# Altium PCB C210.PcbDoc (part 1 of 8) (continued)
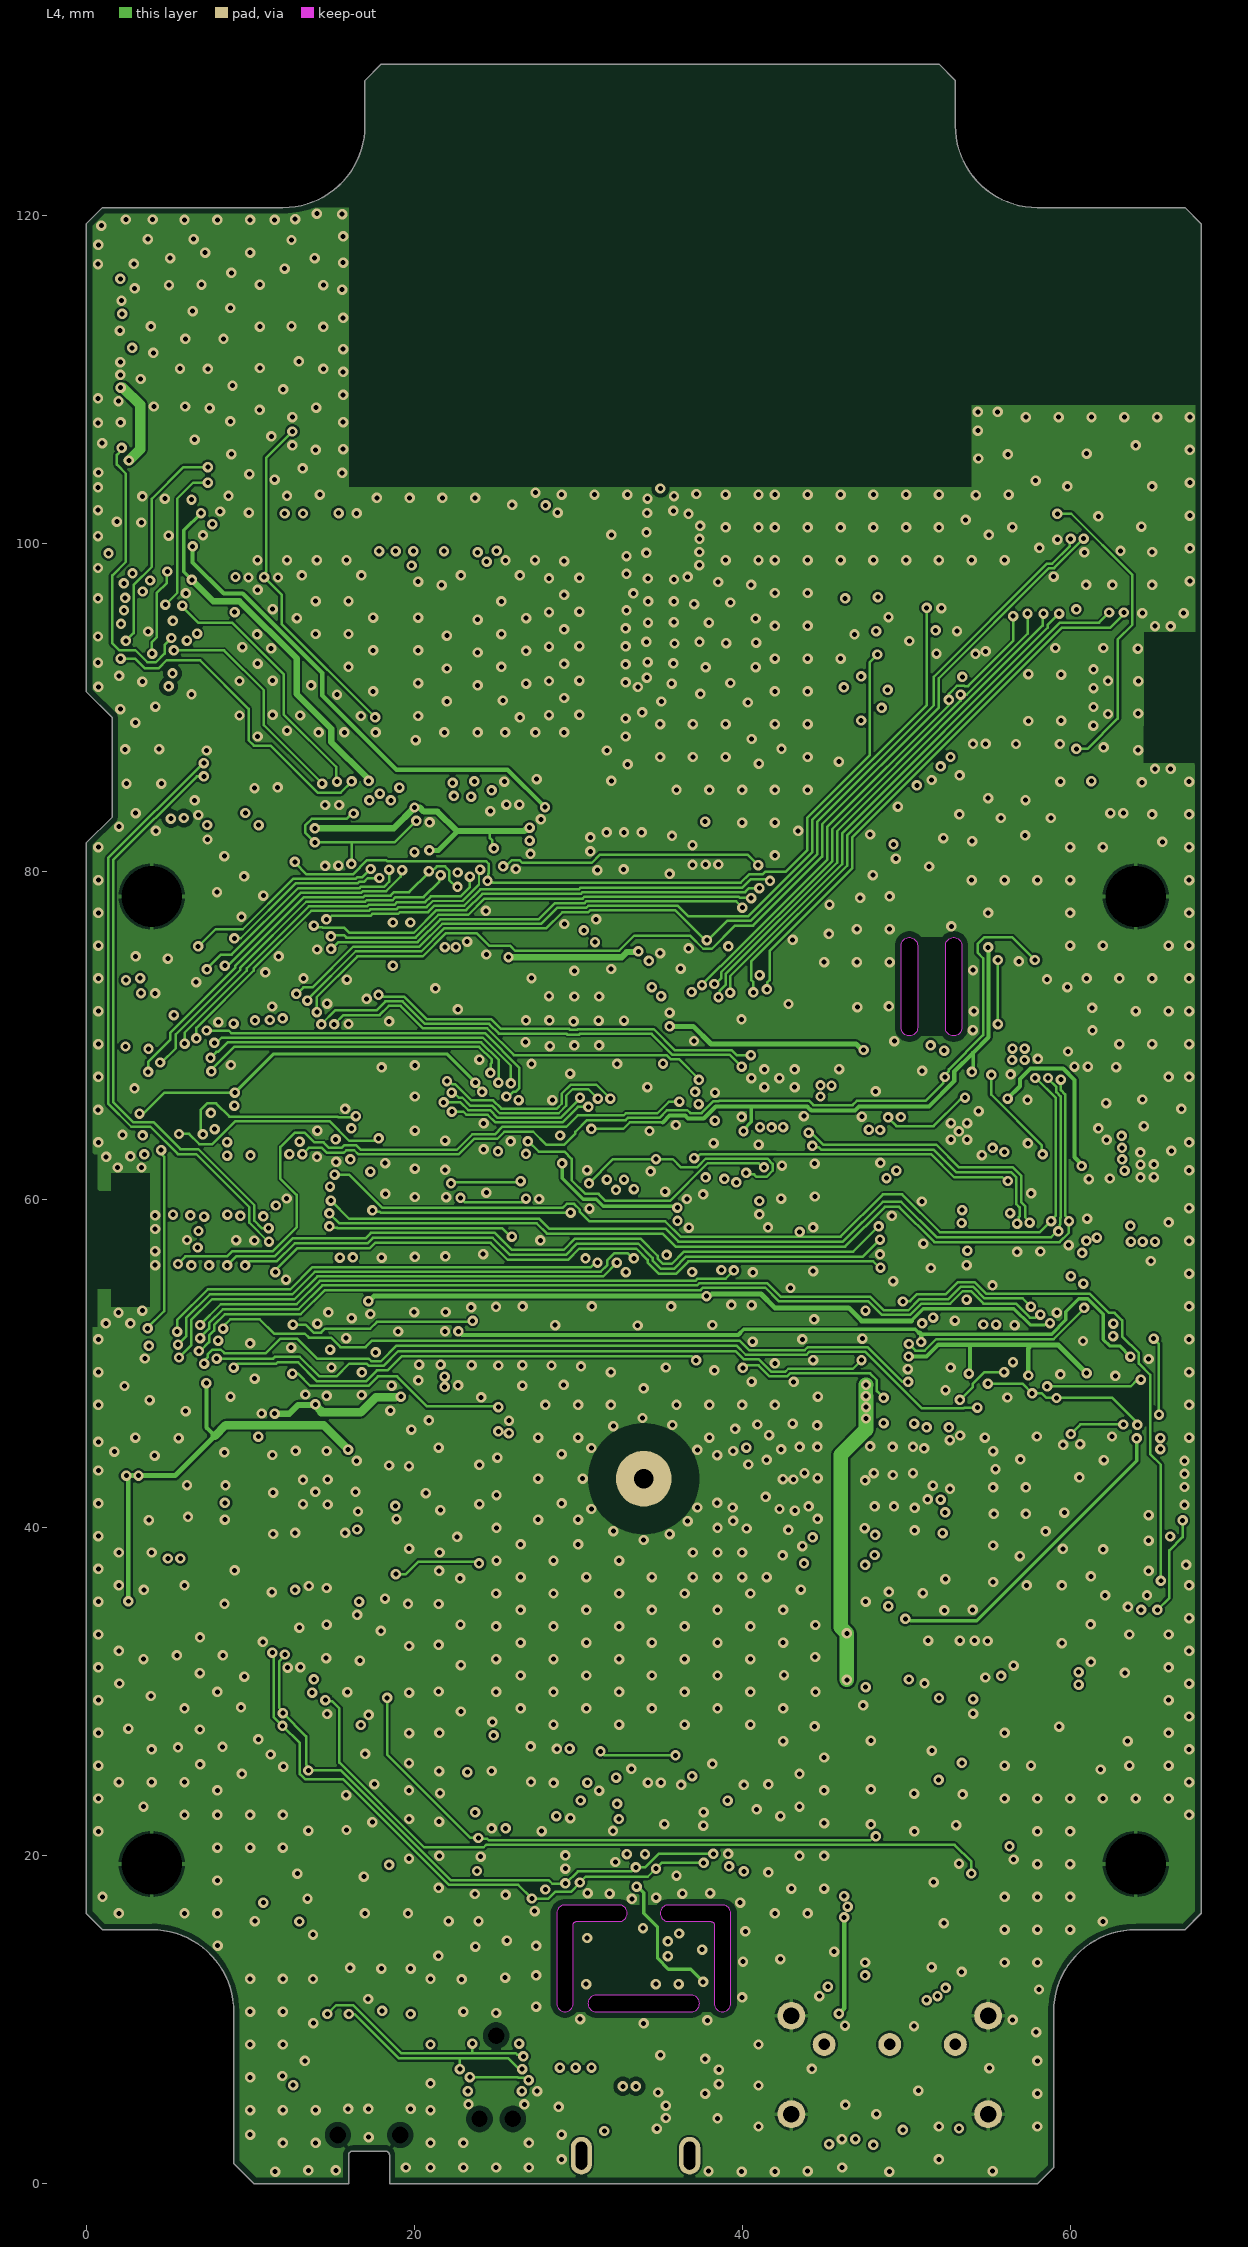
[diagram p4: L4]
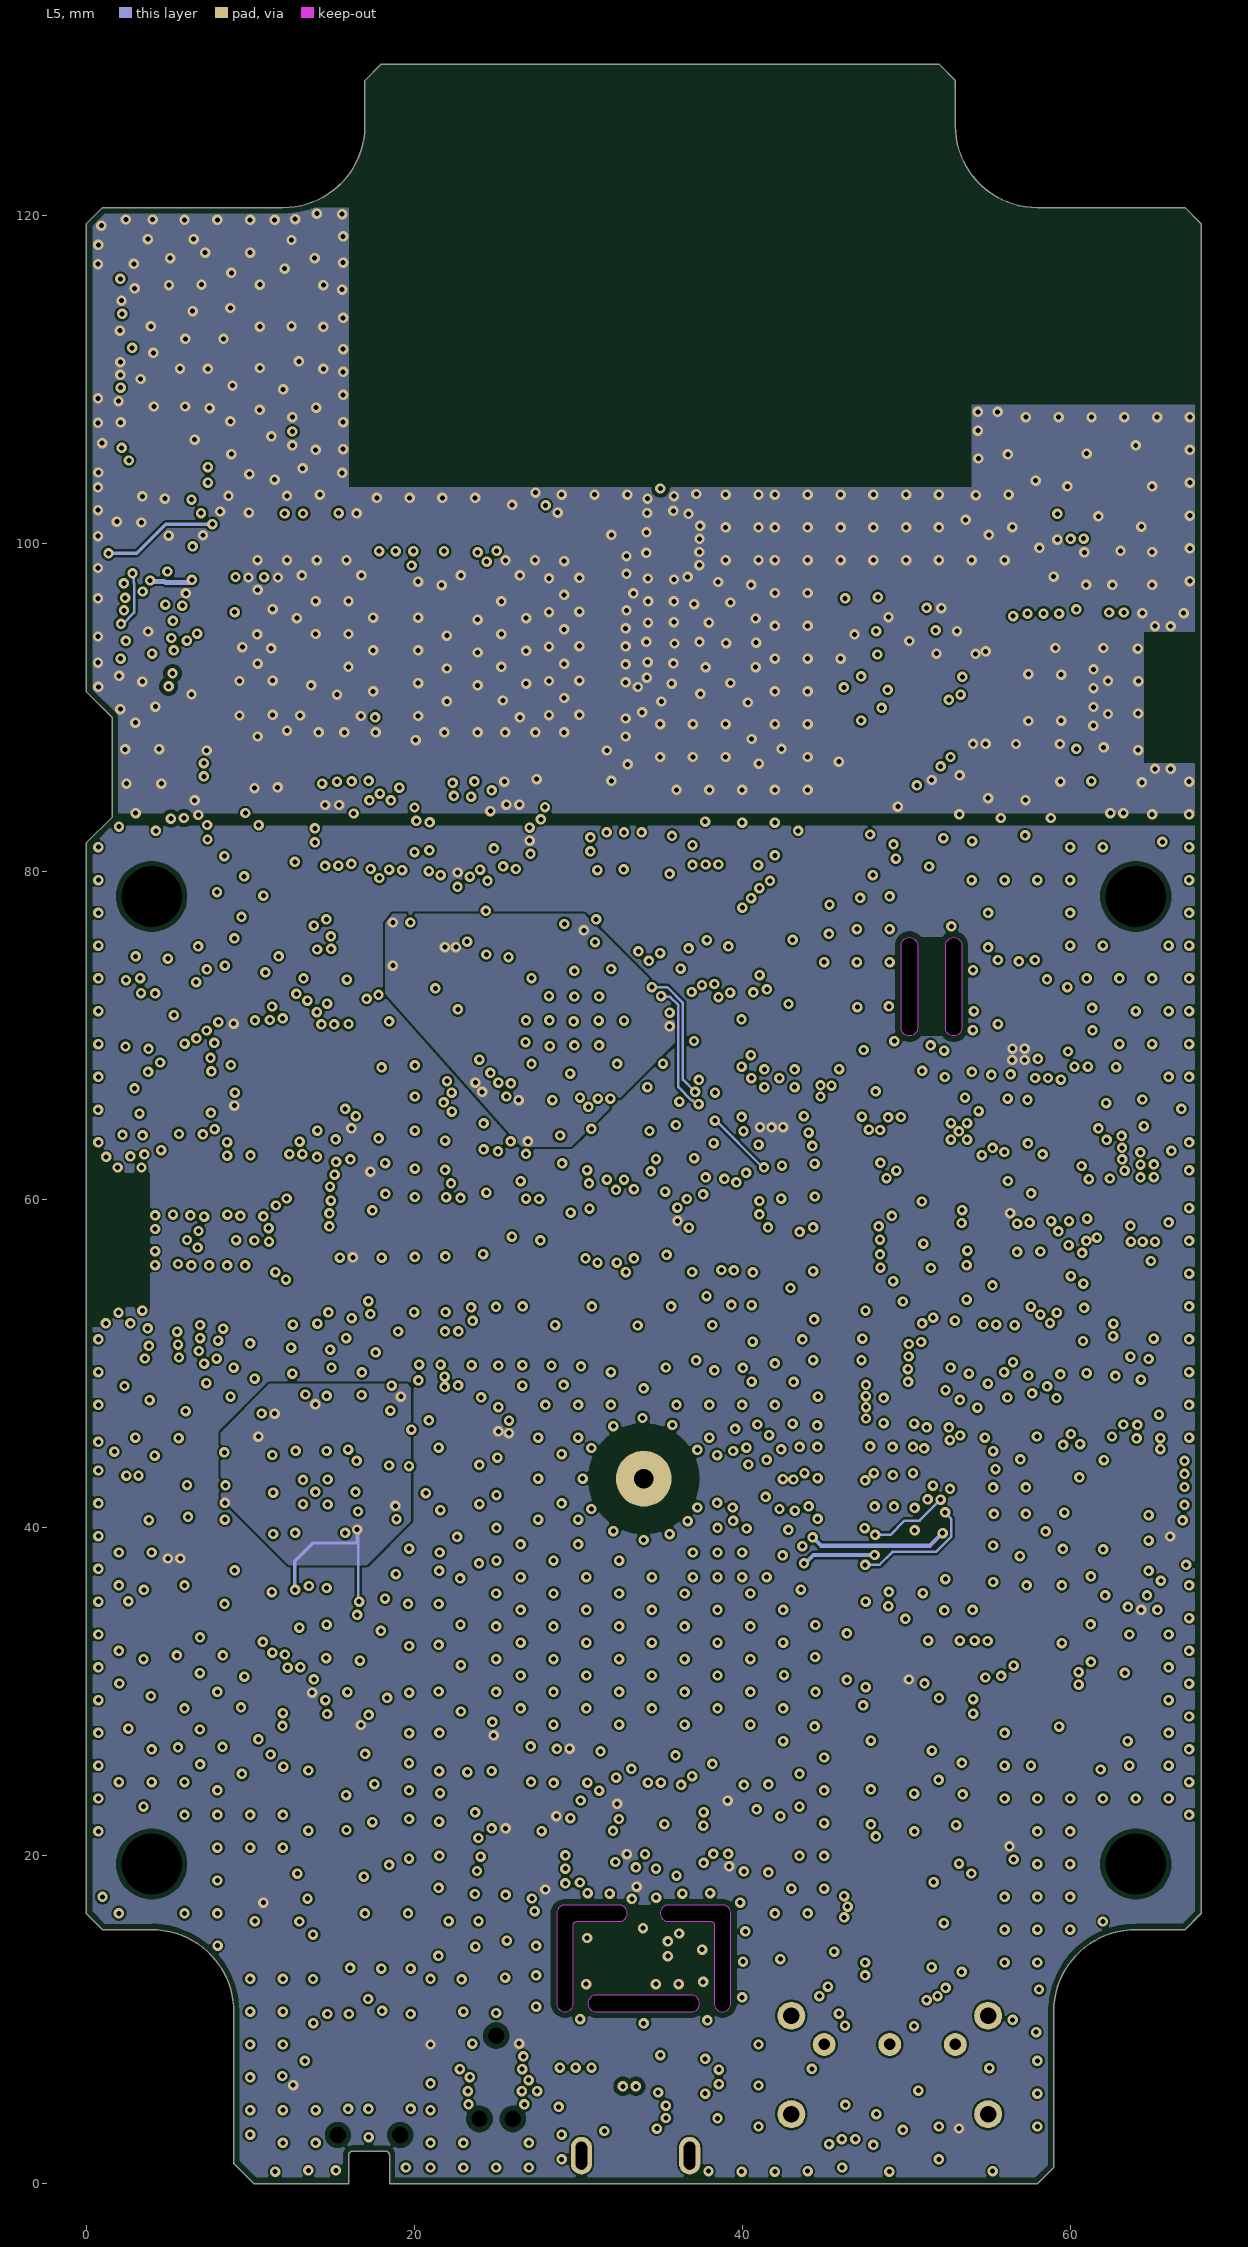
[diagram p5: L5]

## Layer stack, top to bottom
Top Solder: solder mask 0.01, Solder Resist, Dk 3.5
L1: signal copper 0.035
Dielectric 1: prepreg 0.2184, PP-023, Dk 4.5
L2: signal copper 0.035
Dielectric 2: core 0.36, Core-034, Dk 4.6
L3: signal copper 0.035
Dielectric 3: prepreg 0.1803, PP-021, Dk 4.7
L4: signal copper 0.035
Dielectric 4: core 0.36, Core-034, Dk 4.6
L5: signal copper 0.035
Dielectric 5: prepreg 0.2184, PP-023, Dk 4.5
L6: signal copper 0.035
Bottom Solder: solder mask 0.01, Solder Resist, Dk 3.5

## Board outline
9,1.25 9,10.5 ccw(c4,10.5) 4,15.5 1,15.5 0,16.5 0,81.75 1.6,83.35 1.6,89.4 0,91 0,119.5 1,120.5 12,120.5 ccw(c12,125.5) 17,125.5 17,128.25 18,129.25 52,129.25 53,128.25 53,125.5 ccw(c58,125.5) 58,120.5 67,120.5 68,119.5 68,16.5 67,15.5 64,15.5 ccw(c64,10.5) 59,10.5 59,1 58,0 18.5,0 18.5,1.75 ccw(c18.25,1.75) 18.25,2 16.25,2 ccw(c16.25,1.75) 16,1.75 16,0 10.25,0
cut-out: 30.6,11 ccw(c31.1,11) 31.1,10.5 36.9,10.5 ccw(c36.9,11) 37.4,11 ccw(c36.9,11) 36.9,11.5 31.1,11.5 ccw(c31.1,11)
cut-out: 28.7,11 ccw(c29.2,11) 29.2,10.5 ccw(c29.2,11) 29.7,11 29.7,15.8 cw(c29.9,15.8) 29.9,16 32.5,16 ccw(c32.5,16.5) 33,16.5 ccw(c32.5,16.5) 32.5,17 29.2,17 ccw(c29.2,16.5) 28.7,16.5
cut-out: 35,16.5 ccw(c35.5,16.5) 35.5,16 38.1,16 cw(c38.1,15.8) 38.3,15.8 38.3,11 ccw(c38.8,11) 38.8,10.5 ccw(c38.8,11) 39.3,11 39.3,16.5 ccw(c38.8,16.5) 38.8,17 35.5,17 ccw(c35.5,16.5)
cut-out: 52.4,75.5 cw(c52.9,75.5) 53.4,75.5 53.4,70.5 cw(c52.9,70.5) 52.4,70.5
cut-out: 49.699,75.5 cw(c50.199,75.5) 50.699,75.5 50.699,70.5 cw(c50.199,70.5) 49.699,70.5

## Design rules (kind name [scope] priority, off if disabled: settings)
BoardOutlineClearance [All] p1: gap=0.356 ignorepadtopadclearanceinfootprint=FALSE
Clearance [(InDifferentialPairClass('All Differential Pairs')) vs IsRegion] p1: gap=0.25 ignorepadtopadclearanceinfootprint=FALSE
Clearance "Diff Pair Clearance" [InPolygon vs (InDifferentialPairClass('All Differential Pairs'))] p2: gap=0.152 ignorepadtopadclearanceinfootprint=FALSE
Clearance Clearance_Poly_1 [InPolygon vs (OnLayer('Keep-Out Layer')) OR (OnLayer('Multi-Layer') AND IsPad  AND Not(PadIsPlated))] p3: gap=0.3 ignorepadtopadclearanceinfootprint=FALSE
Clearance "RF Clearance" [Inpolygon vs InNetClass('RF')] p4: gap=0.254 ignorepadtopadclearanceinfootprint=FALSE
Clearance "TestPoint Clearance" [InComponent('TP*') vs InComponent('TP*')] p5: gap=0.8 ignorepadtopadclearanceinfootprint=FALSE
Clearance Clearance_1 [InNetClass('All Nets')] p6: gap=0.127 ignorepadtopadclearanceinfootprint=FALSE
ComponentClearance [All] p1: gap=0.127 collisioncheckmode=3 verticalgap=0.254 showdistances=FALSE
DiffPairsRouting [InDifferentialPairClass('All Differential Pairs')] p1: maxlimit=0.155 minlimit=0.127 mostfreqgap=0.152 toplayer_minwidth=0.127 toplayer_maxwidth=0.305 toplayer_prefwidth=0.259 midlayer1_minwidth=0.127 midlayer1_maxwidth=0.305 midlayer1_prefwidth=0.259 midlayer2_minwidth=0.127 midlayer2_maxwidth=0.305 midlayer2_prefwidth=0.259 midlayer3_minwidth=0.127 midlayer3_maxwidth=0.305 midlayer3_prefwidth=0.259 midlayer4_minwidth=0.127 midlayer4_maxwidth=0.305 midlayer4_prefwidth=0.259 bottomlayer_minwidth=0.127 bottomlayer_maxwidth=0.305 bottomlayer_prefwidth=0.259 maxuncoupledlength=12.7
Height [All] p1: minheight=0 maxheight=25.4 prefheight=2.54
HoleSize [All] p1: absolutevalues=TRUE maxlimit=2540 minlimit=0.203 maxpercent=80.000 minpercent=20.000
HoleToHoleClearance [All] p1: gap=0.152 allowstackedmicrovias=TRUE
Length [InNetClass('USB_DIFF')] p1: maxlimit=2540 minlimit=0 usedelayunits=TRUE mindelay=0.000000 maxdelay=500.000000
MinimumSolderMaskSliver [All] p1: minsoldermaskwidth=0.08
NetAntennae [NOT (HasFootprint('Solderbridge-Option') OR HasFootprint('Solderbridge-Short'))] p1: netantennaetolerance=0
PlaneClearance [InPoly] p1: clearance=0.203
PlaneConnect [All] p1 off: planeconnectstyle=Relief reliefexpansion=0.508 reliefentries=4 reliefconductorwidth=0.203 reliefairgap=0.152
PolygonConnect ThermalVias [IsVia] p1: connectstyle=Direct reliefconductorwidth=0.254 reliefentries=4 polygonreliefangle="90 Angle" airgapwidth=0.254
PolygonConnect "PolygonConnect - Power" [InNet('GND')] p2: connectstyle=Relief reliefconductorwidth=0.254 reliefentries=4 polygonreliefangle="90 Angle" airgapwidth=0.152
PolygonConnect PolygonConnect-BGA [InComponentClass('')] p3: connectstyle=Relief reliefconductorwidth=0.152 reliefentries=4 polygonreliefangle="45 Angle" airgapwidth=0.152
PolygonConnect PolygonConnect-General [All] p4: connectstyle=Relief reliefconductorwidth=0.152 reliefentries=4 polygonreliefangle="90 Angle" airgapwidth=0.152
RoutingVias [All] p1: holewidth=0.254 width=0.508 viastyle="Through Hole" minholewidth=0.203 minwidth=0.457 maxholewidth=0.305 maxwidth=0.61
SMDEntry [All] p1: side=TRUE corner=TRUE anyangle=TRUE
SilkToBoardRegionClearance [All] p1 off:
SilkToSilkClearance [All] p1 off: silktosilkclearance=0.025
SilkToSolderMaskClearance [IsPad] p1 off: minsilkscreentomaskgap=0 clearancetoexposedcopper=TRUE
SolderMaskExpansion SolderMaskExpansion_via [IsVia] p1: expansion=-0.254 istentingtop=FALSE
SolderMaskExpansion [All] p2: expansion=0.05 istentingtop=FALSE
UnRoutedNet [All] p1: checkbadconnections=TRUE
Width [All] p1: maxlimit=5.08 minlimit=0.15 preferedwidth=0.15 toplayer_maxwidth=2.54 midlayer1_maxwidth=2.54 midlayer2_maxwidth=2.54 midlayer3_maxwidth=2.54 midlayer4_maxwidth=2.54 minimp=50.000000 maximp=50.000000 favimp=50.000000
17 further rules are at their usual default settings.

## Classes and differential pairs
net class USB: USB_DN1_n USB_DN1_p USB_DN2_n USB_DN2_p USB_DN3_n USB_DN3_p USB_UP_1_n USB_UP_1_p
component class C210_0006_Power: BTN3 C37 C45 C47 C52 C53 C54 C55 C56 C57 C58 C61 C62 C63 C129 C130 C142 C147 C148 C149 C150 C151 C152 C153 C154 D29 F1 J10 J14 NC15 R5 R6 R7 R36 R43 R44 R50 R54 R55 R56 R75 R76 R87 R92 R124 R125 R126 R200 R201 R202 R203 RT1 RT2 SW1 TP28 TP29 TP30 TP31 TP45 TP48 TP50 TP51 TP52 U8 U10 U11 U35
component class C210_0002_NORA_Module: BTN1 BTN2 C39 C46 C48 C69 C70 C76 C82 C86 C131 C133 C134 C137 D13 D14 D22 D23 D24 D25 D26 D27 J4 J11 J13 J15 J17 NC9 NC12 Q12 Q16 Q17 Q18 Q25 R38 R39 R60 R61 R62 R64 R65 R66 R79 R80 R122 R123 RGB2 TP23 TP24 TP26 TP27 TP36 TP43 TP44 TP46 TP47 TP56 TP57 TPBLU TPGRN TPRED U7 U9 U13 X1
net class RF: NetA1_1 NetA2_1 NetC98_1 NetC98_2 NetC99_1 NetC99_2 NetC103_2 NetFIL1_1 NetFIL2_4 NetL1_2 NetL2_1 NetU1_56 NetU24_11 NetU32_3 NetZ1_1
component class C210_0000_Topsheet: FD1 FD2 FD3 FD4 FD5 FD6 STD1 STD2 STD3 STD4
component class C210_0004_MAX_Module: A2 C73 C74 C75 C77 C78 C79 C80 C81 C92 C93 C96 C97 C98 C99 C100 C103 C104 C105 C106 C107 C117 C119 C120 C121 C122 C123 C128 D15 D16 D17 D18 D21 FB3 FB4 FB5 FB6 FB7 FB8 FIL1 FIL2 J1 J6 L1 L2 L3 NC10 NC13 NC14 NO2 Q19 Q20 Q22 Q23 Q24 Q26 Q27 Q28 R18 R67 R68 R69 R70 R71 R72 R78 R81 R82 R83 R84 R85 R86 R96 R105 R107 R108 R109 R113 R115 R116 R117 R118 R128 R129 SWC1 TP33 TP35 TP37 TP39 TP42 U19 U20 U21 U22 U24 U25 U29 U32 U33
component class C210_0005_NINA_Module: BTN4 BTN5 C16 C17 C28 C35 C51 C59 C60 C64 C65 C66 C67 C68 C94 C95 C111 D2 D3 D4 D5 D6 D8 J2 NC1 NC3 NC5 Q1 Q2 Q3 Q13 R2 R3 R4 R10 R11 R12 R13 R14 R15 R22 R33 R37 R46 R48 R51 R52 R59 R63 RGB1 TP2 TP3 TP4 TP5 TP6 TP7 TP8 TP9 TP12 U3 U12 U14 U15 U16 U34
component class C210_0007_Sensors: C71 C72 C109 C110 C112 C113 C114 C115 C116 C118 C124 C125 C126 C127 C135 C136 C138 C139 C140 C141 D20 J5 NC7 NO4 NO5 R53 R57 R58 R77 R111 R112 R114 TP32 TP38 TP40 TP41 U17 U18 U26 U27 U28 U30 U31
net class USB_DIFF: N000-1 N000-2 N000-3 N000-4 USB_DN1_n USB_DN1_p USB_DN2_n USB_DN2_p USB_DN3_n USB_DN3_p USB_UP_1_n USB_UP_1_p
component class C210_0001_Serial_Interface: C32 C33 C38 C40 C41 C42 C43 C44 C49 C50 C83 C84 C85 C87 C88 C89 C90 C91 C101 C102 C108 C132 C143 C144 C145 C146 D28 FB2 FB9 FB10 FB11 FB12 J12 NC8 NC11 Q14 Q21 R8 R9 R26 R27 R29 R30 R35 R40 R41 R42 R45 R73 R74 R88 R89 R90 R91 R94 R95 R99 R100 R101 R102 R106 R110 R127 TP25 TP34 TP49 U6 U23 X2 X3
component class C210_0003_SARA_Module: A1 C1 C2 C3 C4 C5 C6 C7 C8 C9 C10 C11 C12 C13 C14 C15 C18 C19 C20 C21 C22 C23 C24 C25 C26 C27 C29 C30 C31 C34 C36 D1 D7 D9 D10 D11 D12 ESIM FB1 J3 NC2 NC4 NC6 NO1 NO3 P1 Q4 Q5 Q6 Q7 Q9 Q10 Q15 R1 R16 R17 R19 R20 R21 R23 R24 R25 R28 R31 R32 R34 R47 R49 TP1 TP10 TP11 TP13 TP14 TP15 TP16 TP17 TP18 TP19 TP20 TP21 TP22 TP53 TP54 U1 U2 U4 U5 Z1 Z2 Z3 Z4 Z5 Z6
differential pair USB_UP_1: +USB_UP_1_p -USB_UP_1_n
differential pair USB_DN3: +USB_DN3_p -USB_DN3_n
differential pair USB_DN2: +USB_DN2_p -USB_DN2_n
differential pair USB_DN1: +USB_DN1_p -USB_DN1_n

## Components (designator, comment, footprint, x,y, rotation, side; value= is the part's Value field where it differs from the comment)
A1 "PCS.66.A" PCS.66.A 35,118 r180 bottom locked
A2 "CGGP.25.4.E.02" CGGP.25.4.E.02 34,40.5 r180 bottom locked
BTN1 "TL6120DF300QG" TL6120DF300QG 53,16.5 r0 bottom locked
BTN2 "TL6120DF300QG" TL6120DF300QG 15,16.5 r0 bottom locked
BTN3 "135-00006" B3U-3000P 51.5,2 r0 bottom
BTN4 "135-00007" B3U-1000P 58,104 r90 top
BTN5 "135-00007" B3U-1000P 63,104 r90 top
C1 "120-0004533pF" "Cap 0402 HD" 7.527,102.7 r0 top value=33pF
C2 "120-000160.1uF" "Cap 0402 HD" 2.099,103.575 r180 top value=0.1uF
C3 "120-000204.7uF" "Cap 0402 HD" 2.125,102.675 r180 top value=4.7uF
C4 "120-0004533pF" "Cap 0402 HD" 2.099,104.45 r180 top value=33pF
C5 "120-0004533pF" "Cap 0402 HD" 8.5,103.725 r0 top value=33pF
C6 "120-0004533pF" "Cap 0402 HD" 1.2,105.3 r180 top value=33pF
C7 "120-0004533pF" "Cap 0402 HD" 8.5,104.675 r0 top value=33pF
C8 "120-000160.1uF" "Cap 0402 HD" 26.972,102.35 r0 top value=0.1uF
C9 "120-000160.1uF" "Cap 0402 HD" 2.125,99.325 r90 top value=0.1uF
C10 "120-0004533pF" "Cap 0402 HD" 3.775,99.3 r90 top value=33pF
C11 "120-000204.7uF" "Cap 0402 HD" 2.925,99.325 r90 top value=4.7uF
C12 "120-0004533pF" "Cap 0402 HD" 4.625,99.3 r90 top value=33pF
C13 "120-000160.1uF" "Cap 0402 HD" 4.566,97.007 r0 top value=0.1uF
C14 "120-0004768pF" "Cap 0402 HD" 15.425,83.056 r270 top value=68pF
C15 "120-0004768pF" "Cap 0402 HD" 25.622,83.075 r90 top value=68pF
C16 "120-000204.7uF" "Cap 0402 HD" 63.275,84.65 r270 top value=4.7uF
C17 "120-000160.1uF" "Cap 0402 HD" 62.45,84.65 r90 top value=0.1uF
C18 "120-000160.1uF" "Cap 0402 HD" 14.576,83.056 r270 top value=0.1uF
C19 "120-000160.1uF" "Cap 0402 HD" 26.422,83.075 r270 top value=0.1uF
C20 "120-000160.1uF" "Cap 0402 HD" 14.576,81.4 r270 top value=0.1uF
C21 "120-0004768pF" "Cap 0402 HD" 15.425,81.4 r90 top value=68pF
C22 "120-000160.1uF" "Cap 0402 HD" 26.422,81.5 r90 top value=0.1uF
C23 "120-0004768pF" "Cap 0402 HD" 28.175,82.1 r0 top value=68pF
C24 "120-000101.0nF" "Cap 0402 HD" 29.7,81.25 r0 top value=1.0nF
C25 "120-0004118pF" "Cap 0402 HD" 29.7,82.1 r180 top value=18pF
C26 "120-00223100µF" "Cap 1210" 32.797,79.93 r270 top value=100µF
C27 "120-0004768pF" "Cap 0402 HD" 25.622,81.5 r270 top value=68pF
C28 "120-0004768pF" "Cap 0402 HD" 53.25,82.425 r90 top value=68pF
C29 "120-000204.7uF" "Cap 0402 HD" 27.6,80.175 r180 top value=4.7uF
C30 "120-000160.1uF" "Cap 0402 HD" 28.175,81.25 r180 top value=0.1uF
C31 "120-000204.7uF" "Cap 0402 HD" 29.897,80.175 r0 top value=4.7uF
C32 "120-000204.7uF" "Cap 0402 HD" 23.9,69.583 r270 top value=4.7uF
C33 "120-000160.1uF" "Cap 0402 HD" 24.693,69.6 r90 top value=0.1uF
C34 "120-0004768pF" "Cap 0402 HD" 30.1,77.678 r270 top value=68pF
C35 "120-0004768pF" "Cap 0402 HD" 53.436,77.821 r270 top value=68pF
C36 "120-0004768pF" "Cap 0402 HD" 40.325,74.488 r0 top value=68pF
C37 "120-00223100µF" "Cap 1210" 44.225,71.75 r90 top value=100µF
C38 "120-000160.1uF" "Cap 0402 HD" 24.975,74.475 r270 top value=0.1uF
C39 "120-000160.1uF" "Cap 0402 HD" 8.6,69.625 r90 top value=0.1uF
C40 "120-000160.1uF" "Cap 0402 HD" 34.525,67.924 r90 top value=0.1uF
C41 "120-000204.7uF" "Cap 0402 HD" 23.321,73.624 r90 top value=4.7uF
C42 "120-000160.1uF" "Cap 0402 HD" 23.286,72.06 r90 top value=0.1uF
C43 "120-000160.1uF" "Cap 0402 HD" 27.425,66.05 r180 top value=0.1uF
C44 "120-000160.1uF" "Cap 0402 HD" 34.924,71.009 r270 top value=0.1uF
C45 "120-000160.1uF" "Cap 0402 HD" 44.825,68.764 r180 top value=0.1uF
C46 "120-000160.1uF" "Cap 0402 HD" 8.399,66.958 r90 top value=0.1uF
C47 "120-000204.7uF" "Cap 0402 HD" 44.825,67.961 r0 top value=4.7uF
C48 "120-000160.1uF" "Cap 0402 HD" 8.375,65.358 r90 top value=0.1uF
C49 "120-000160.1uF" "Cap 0402 HD" 29.096,75.705 r0 top value=0.1uF
C50 "120-000160.1uF" "Cap 0402 HD" 31.75,76.364 r270 top value=0.1uF
C51 "120-000160.1uF" "Cap 0402 HD" 29.789,64.152 r270 top value=0.1uF
C52 "120-000204.7uF" "Cap 0402 HD" 40.925,65.125 r180 top value=4.7uF
C53 "120-000160.1uF" "Cap 0402 HD" 42.657,65.173 r180 top value=0.1uF
C54 "120-000720.47uF" "Cap 0402 HD" 60.263,67.047 r90 top value=0.47uF
C55 "120-000204.7uF" "Cap 0402 HD" 55.493,65.09 r90 top value=4.7uF
C56 "120-000160.1uF" "Cap 0402 HD" 62.762,67.04 r270 top value=0.1uF
C57 "120-000204.7uF" "Cap 0402 HD" 50.94,63.54 r270 top value=4.7uF
C58 "120-000204.7uF" "Cap 0402 HD" 50.121,63.54 r270 top value=4.7uF
C59 "120-000160.1uF" "Cap 0402 HD" 29.789,62.604 r270 top value=0.1uF
C60 "120-000160.1uF" "Cap 0402 HD" 38.276,62.425 r90 top value=0.1uF
C61 "120-000204.7uF" "Cap 0402 HD" 52.065,61.515 r270 top value=4.7uF
C62 "120-0004118pF" "Cap 0402 HD" 61.064,67.047 r270 top value=18pF
C63 "120-0004768pF" "Cap 0402 HD" 61.9,67.039 r90 top value=68pF
C64 "120-000160.1uF" "Cap 0402 HD" 35.301,59.269 r90 top value=0.1uF
C65 "120-000160.1uF" "Cap 0402 HD" 40.311,62.763 r270 top value=0.1uF
C66 "120-000160.1uF" "Cap 0402 HD" 35.301,57.704 r90 top value=0.1uF
C67 "120-000160.1uF" "Cap 0402 HD" 40.385,59.538 r270 top value=0.1uF
C68 "120-000160.1uF" "Cap 0402 HD" 38.261,59.993 r270 top value=0.1uF
C69 "120-000160.1uF" "Cap 0402 HD" 15.55,53.85 r90 top value=0.1uF
C70 "120-000160.1uF" "Cap 0402 HD" 16.34,53.85 r90 top value=0.1uF
C71 "120-000160.1uF" "Cap 0402 HD" 33.803,14.622 r90 top value=0.1uF
C72 "120-000160.1uF" "Cap 0402 HD" 37.539,13.263 r270 top value=0.1uF
C73 "120-000160.1uF" "Cap 0402 HD" 62.95,50.554 r90 top value=0.1uF
C74 "120-000160.1uF" "Cap 0402 HD" 52.968,51.336 r270 top value=0.1uF
C75 "120-000160.1uF" "Cap 0402 HD" 59.366,50.38 r90 top value=0.1uF
C76 "120-000160.1uF" "Cap 0402 HD" 13.55,51.738 r180 top value=0.1uF
C77 "120-000160.1uF" "Cap 0402 HD" 50.821,50.05 r270 top value=0.1uF
C78 "120-000160.1uF" "Cap 0402 HD" 56.338,51.203 r270 top value=0.1uF
C79 "120-000160.1uF" "Cap 0402 HD" 54.125,50.409 r90 top value=0.1uF
C80 "120-000160.1uF" "Cap 0402 HD" 57.26,50.385 r90 top value=0.1uF
C81 "120-000160.1uF" "Cap 0402 HD" 61,50.475 r90 top value=0.1uF
C82 "120-0004768pF" "Cap 0402 HD" 6.421,37.767 r270 top value=68pF
C83 "120-000160.1uF" "Cap 0402 HD" 14.739,47.034 r90 top value=0.1uF
C84 "120-000204.7uF" "Cap 0402 HD" 19.839,47.047 r0 top value=4.7uF
C85 "120-000160.1uF" "Cap 0402 HD" 18.211,40.946 r270 top value=0.1uF
C86 "120-0004768pF" "Cap 0402 HD" 1.744,43.578 r90 top value=68pF
C87 "120-000160.1uF" "Cap 0402 HD" 11.1,46.323 r180 top value=0.1uF
C88 "120-000486pF" "Cap 0402 HD" 22.66,44.897 r0 top value=6pF
C89 "120-000160.1uF" "Cap 0402 HD" 9.475,43 r180 top value=0.1uF
C90 "120-000160.1uF" "Cap 0402 HD" 19.43,44.417 r0 top value=0.1uF
C91 "120-000160.1uF" "Cap 0402 HD" 13.391,37.5 r270 top value=0.1uF
C92 "120-0004768pF" "Cap 0402 HD" 41.51,40.785 r315 top value=68pF
C93 "120-0004768pF" "Cap 0402 HD" 52.006,45.1 r90 top value=68pF
C94 "120-000204.7uF" "Cap 0402 HD" 55.25,72.125 r0 top value=4.7uF
C95 "120-000160.1uF" "Cap 0402 HD" 54.618,76.13 r180 top value=0.1uF
C96 "120-0004768pF" "Cap 0402 HD" 65.901,43.29 r180 top value=68pF
C97 "120-000101.0nF" "Cap 0402 HD" 65.901,44.09 r180 top value=1.0nF
C98 "120-000101.0nF" "Cap 0402 HD" 44.475,42.175 r180 top value=1.0nF
C99 "120-0008147pF" "Cap 0402 HD" 48.725,42.175 r180 top value=47pF
C100 "120-0004768pF" "Cap 0402 HD" 65.901,42.49 r0 top value=68pF
C101 "120-000160.1uF" "Cap 0402 HD" 18.147,46.15 r90 top value=0.1uF
C102 "120-000486pF" "Cap 0402 HD" 22.782,41.1 r180 top value=6pF
C103 "120-000793.3pF" "Cap 0402 HD" 40.275,41.079 r90 top value=3.3pF
C104 "120-0011015pF" "Cap 0402 HD" 47.075,40.619 r225 top value=15pF
C105 "120-000101.0nF" "Cap 0402 HD" 65.913,41.379 r180 top value=1.0nF
C106 "120-000101.0nF" "Cap 0402 HD" 49.276,39.352 r180 top value=1.0nF
C107 "120-0004768pF" "Cap 0402 HD" 49.262,40.279 r180 top value=68pF
C108 "120-000160.1uF" "Cap 0402 HD" 9.475,42.208 r180 top value=0.1uF
C109 "120-000204.7uF" "Cap 0402 HD" 24.475,26.275 r270 top value=4.7uF
C110 "120-000160.1uF" "Cap 0402 HD" 25.9,26.667 r0 top value=0.1uF
C111 "120-00223100µF" "Cap 1210" 58.32,71.038 r0 top value=100µF
C112 "120-000204.7uF" "Cap 0402 HD" 33.244,23.817 r270 top value=4.7uF
C113 "120-000160.1uF" "Cap 0402 HD" 35.044,23.409 r270 top value=0.1uF
C114 "120-000160.1uF" "Cap 0402 HD" 34.24,23.409 r270 top value=0.1uF
C115 "120-000160.1uF" "Cap 0402 HD" 13.065,30.449 r270 top value=0.1uF
C116 "120-000204.7uF" "Cap 0402 HD" 38.716,22.682 r180 top value=4.7uF
C117 "120-000160.1uF" "Cap 0402 HD" 62.26,31.156 r180 top value=0.1uF
C118 "120-000720.47uF" "Cap 0402 HD" 41.6,23.317 r90 top value=0.47uF
C119 "120-000171.0uF" "Cap 0402 HD" 50.55,31.975 r90 top value=1.0uF
C120 "120-000160.1uF" "Cap 0402 HD" 51.35,31.975 r90 top value=0.1uF
C121 "120-000171.0uF" "Cap 0402 HD" 54.975,32.006 r90 top value=1.0uF
C122 "120-0004768pF" "Cap 0402 HD" 54.175,32.006 r270 top value=68pF
C123 "120-0004768pF" "Cap 0402 HD" 61.845,26.343 r270 top value=68pF
C124 "120-000204.7uF" "Cap 0402 HD" 25.371,20.69 r180 top value=4.7uF
C125 "120-000160.1uF" "Cap 0402 HD" 27.375,20.85 r0 top value=0.1uF
C126 "120-000204.7uF" "Cap 0402 HD" 25.371,19.575 r180 top value=4.7uF
C127 "120-000160.1uF" "Cap 0402 HD" 38.716,21.85 r180 top value=0.1uF
C128 "120-000204.7uF" "Cap 0402 HD" 55.788,32 r90 top value=4.7uF
C129 "120-0004768pF" "Cap 0402 HD" 52.425,17.425 r90 top value=68pF
C130 "120-0004768pF" "Cap 0402 HD" 53.4,14.028 r270 top value=68pF
C131 "120-000160.1uF" "Cap 0402 HD" 13.35,6.425 r270 top value=0.1uF
C132 "120-000160.1uF" "Cap 0402 HD" 28.821,5.8 r90 top value=0.1uF
C133 "120-00099300pF" "Cap 0402 HD" 4.975,89.675 r90 top value=300pF
C134 "120-00099300pF" "Cap 0402 HD" 5.803,89.675 r270 top value=300pF
C135 "120-000204.7uF" "Cap 0402 HD" 14.025,54.825 r270 bottom value=4.7uF
C136 "120-000160.1uF" "Cap 0402 HD" 12.95,55.125 r270 bottom value=0.1uF
C137 "120-000160.1uF" "Cap 0402 HD" 21,7.3 r90 top value=0.1uF
C138 "120-0004768pF" "Cap 0402 HD" 12.275,30.449 r270 top value=68pF
C139 "120-0004768pF" "Cap 0402 HD" 11.993,26.581 r90 top value=68pF
C140 "120-0004768pF" "Cap 0402 HD" 13.34,29.067 r180 top value=68pF
C141 "120-000160.1uF" "Cap 0402 HD" 40.1,23.279 r90 top value=0.1uF
C142 "120-00223100µF" "Cap 1210" 47.355,71.748 r90 top value=100µF
C143 "UBXH01-00000353U3" "Cap 0603 HD" 32.754,76.6 r90 top value=3U3
C144 "120-000160.1uF" "Cap 0402 HD" 23.23,64.817 r270 top value=0.1uF
C145 "120-0011015pF" "Cap 0402 HD" 24.147,76.592 r90 top value=15pF
C146 "120-0011015pF" "Cap 0402 HD" 28.473,77.227 r270 top value=15pF
C147 "120-000160.1uF" "Cap 0402 HD" 61.4,62.854 r0 top value=0.1uF